# Altium PCB PCB.PcbDoc (part 7 of 10)
Units mil, origin at the board's own origin, x right, y up, seen from the top; angles counter-clockwise.
Board outline 4370.08 x 4921.26 mil, 6 copper layers (Component Side, Ground Plane I, Signal Layer 1, Power Plane, Ground Plane II, Solder Side), stack 57.638 mil thick; 274 components, 415 nets, 1726 pads, 902 vias.
Unrouted connection lines stored in the file: 2.
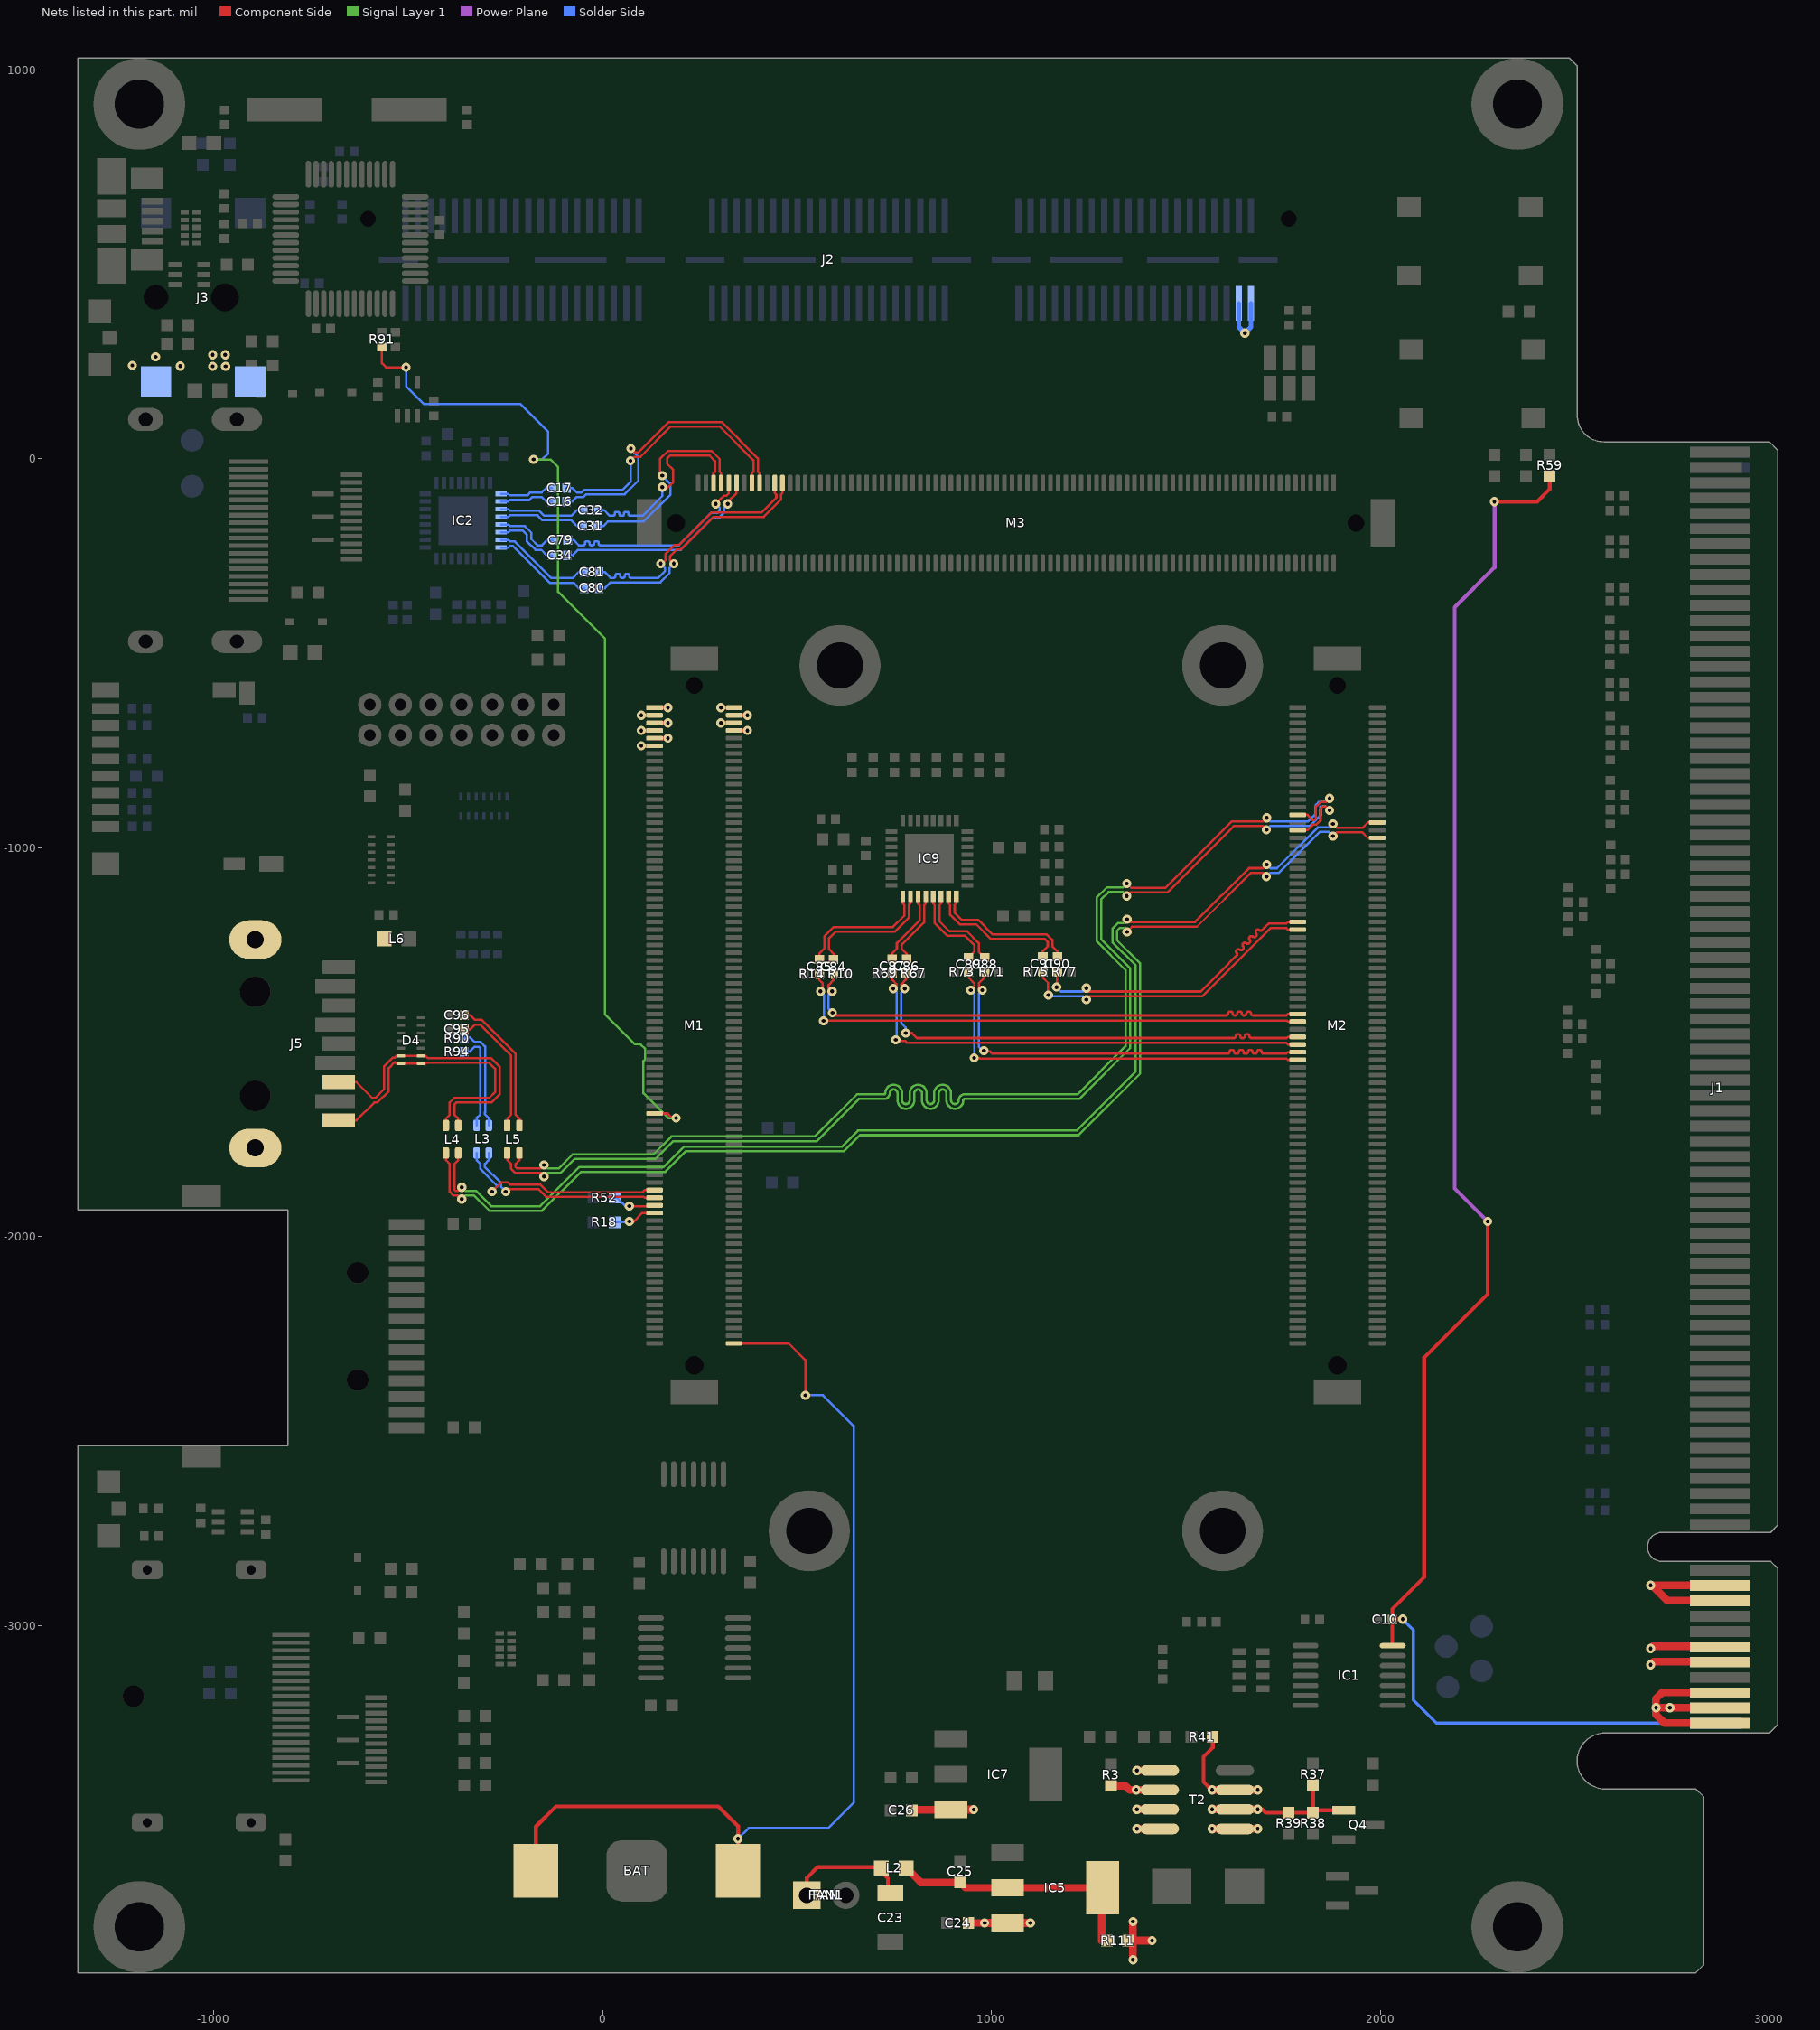
[diagram p11: the nets of this part, all layers, seen from the top]

## Via types
v1: diameter 23.62, hole 9.84, Component Side to Solder Side, 902 vias

## Nets (pads, with @x,y where several pads share a name; then routed paths per layer and width w, separated by ;. In a path a pad name is that pad's centre, name@x,y a point inside that pad or via, vN(x,y) a via of type N, cw(c..) or ccw(c..) an arc to the next point about the centre after c; other vN are vias at no path point) (continued)
UART_TX: M1.107 R91.1 | length 2623.2
  Component Side w5.91: R91.1@-567,287.1 -567,245.58 -556.42,235 v1(-505,235) ; M1.107@133.86,-1683.07 167.32,-1683.07 179.13,-1694.88 v1(188.98,-1694.88)
  Signal Layer 1 w5.91: v1(-177.17,-1.97) -134.03,-1.97 -114,-22 -114,-342 6,-462 6,-1428 83.33,-1505.33 97.56,-1505.33 109.67,-1517.44 109.67,-1544.03 105.32,-1548.38 105.32,-1631.31 168.88,-1694.88 v1(188.98,-1694.88)
  Solder Side w5.91: v1(-505,235) -505,186.04 -459.71,140.75 -211.61,140.75 -139.76,68.9 -139.76,13.75 -155.48,-1.97 v1(-177.17,-1.97)
US_HDMI_C_CLK_N: C17.2 IC2.25 | length 140.6
  Solder Side w5.91: IC2.25@-260.83,-90.55 -242.67,-90.55 -238.73,-94.49 -193.19,-94.49 -185.42,-86.71 -156.38,-86.71 -144.67,-75 C17.2@-129.9,-75
US_HDMI_C_CLK_P: C16.2 IC2.26 | length 140.6
  Solder Side w5.91: IC2.26@-260.83,-110.24 -242.67,-110.24 -238.73,-106.3 -188.3,-106.3 -180.52,-98.52 -156.38,-98.52 -144.67,-110.24 C16.2@-129.9,-110.24
US_HDMI_C_D0_N: C32.2 IC2.27 | length 224.3
  Solder Side w5.91: IC2.27@-260.83,-129.92 -242.15,-129.92 -238.21,-133.86 -162.43,-133.86 -149.64,-146.65 -79.74,-146.65 -64.98,-131.89 C32.2@-49.55,-131.89
US_HDMI_C_D0_P: C31.2 IC2.28 | length 223.5
  Solder Side w5.91: IC2.28@-260.83,-149.61 -242.15,-149.61 -238.21,-145.67 -167.32,-145.67 -154.53,-158.46 -79.74,-158.46 -64.98,-173.23 C31.2@-50.39,-173.23
US_HDMI_C_D1_N: C79.2 IC2.29 | length 171.2
  Solder Side w5.91: IC2.29@-260.83,-169.29 -242.15,-169.29 -238.21,-173.23 -199.83,-173.23 -183.07,-189.99 -183.07,-206.69 -167.32,-222.44 -155.53,-222.44 -141.75,-208.66 C79.2@-127.17,-208.66
US_HDMI_C_D1_P: C34.2 IC2.30 | length 169.2
  Solder Side w5.91: IC2.30@-260.83,-188.98 -242.15,-188.98 -238.21,-185.04 -204.72,-185.04 -194.88,-194.88 -194.88,-211.59 -172.22,-234.25 -157.5,-234.25 -143.72,-248.03 C34.2@-129.13,-248.03
US_HDMI_C_D2_N: C81.2 IC2.31 | length 261.7
  Solder Side w5.91: IC2.31@-260.83,-208.66 -242.15,-208.66 -238.21,-212.6 -225.42,-212.6 -130.93,-307.09 -76.79,-307.09 -61.04,-291.34 C81.2@-46.46,-291.34
US_HDMI_C_D2_P: C80.2 IC2.32 | length 260.8
  Solder Side w5.91: IC2.32@-260.83,-228.35 -242.15,-228.35 -238.21,-224.41 -230.31,-224.41 -135.83,-318.9 -74.82,-318.9 -61.04,-332.68 C80.2@-46.46,-332.68
US_HDMI_CLK_N: C17.1 M3.153 | length 683.5
  Component Side w5.91: v1(72,-5) 81.59,4.59 97.35,4.59 175.43,82.68 301.18,82.68 387.8,-3.94 387.8,-33.48 383.86,-37.41 M3.153@383.86,-62.99
  Solder Side w5.91: C17.1@-92.1,-75 -77.67,-75 -65.96,-86.71 -54,-86.71 -47.04,-79.75 52,-79.75 72,-59.75 v1(72,-5)
US_HDMI_CLK_P: C16.1 M3.151 | length 764.5
  Component Side w5.91: v1(73,26) 82.59,16.41 92.46,16.41 170.54,94.49 306.07,94.49 399.61,0.96 399.61,-33.48 403.54,-37.41 M3.151@403.54,-62.99
  Solder Side w5.91: C16.1@-92.1,-110.24 -77.67,-110.24 -65.96,-98.52 -49.11,-98.52 -42.15,-91.56 56.89,-91.56 92.67,-55.79 92.67,3.56 73,23.23 v1(73,26)
US_HDMI_D0_N: C32.1 M3.163 | length 530.8
  Component Side w5.91: v1@153.54,-75.79 166.34,-75.79 181.1,-61.02 181.1,-27.56 166.34,-12.8 166.34,0.96 173.26,7.87 275.59,7.87 289.37,-5.91 289.37,-33.48 285.43,-37.41 M3.163@285.43,-62.99
  Solder Side w5.91: C32.1@-11.76,-131.89 3.92,-131.89 18.68,-146.65 27.36,-146.65 ccw(c27.36,-142.52) 31.5,-142.52 31.5,-140.79 cw(c35.63,-140.79) 35.63,-136.65 39.17,-136.65 cw(c39.17,-140.79) 43.31,-140.79 43.31,-142.52 ccw(c47.44,-142.52) 47.44,-146.65 50.98,-146.65 ccw(c50.98,-142.52) 55.12,-142.52 55.12,-140.79 cw(c59.25,-140.79) 59.25,-136.65 62.8,-136.65 cw(c62.8,-140.79) 66.93,-140.79 66.93,-142.52 ccw(c71.06,-142.52) 71.06,-146.65 103.35,-146.65 153.54,-96.46 v1@153.54,-75.79
  other v1: 153.54,-73
US_HDMI_D0_P: C31.1 M3.161 | length 557.3
  Component Side w5.91: v1(153.54,-43.31) 147.64,-37.4 147.64,-1.04 168.37,19.69 280.48,19.69 301.18,-1.01 301.18,-33.48 305.12,-37.41 M3.161@305.12,-62.99
  Solder Side w5.91: C31.1@-12.6,-173.23 1.95,-173.23 13.76,-161.42 105.82,-161.42 174.21,-93.03 174.21,-63.98 v1(153.54,-43.31)
US_HDMI_D1_N: C79.1 M3.159 | length 550.3
  Component Side w5.91: v1(291.34,-116.14) 303.14,-104.35 312.01,-95.47 317.93,-95.47 324.8,-88.6 M3.159@324.8,-62.99
  Solder Side w5.91: C79.1@-89.37,-208.66 -74.82,-208.66 -61.04,-222.44 -49.41,-222.44 ccw(c-49.41,-218.31) -45.28,-218.31 -45.28,-216.57 cw(c-41.14,-216.57) -41.14,-212.44 -37.6,-212.44 cw(c-37.6,-216.57) -33.46,-216.57 -33.46,-218.31 ccw(c-29.33,-218.31) -29.33,-222.44 -25.79,-222.44 ccw(c-25.79,-218.31) -21.65,-218.31 -21.65,-216.57 cw(c-17.52,-216.57) -17.52,-212.44 -13.98,-212.44 cw(c-13.98,-216.57) -9.84,-216.57 -9.84,-218.31 ccw(c-5.71,-218.31) -5.71,-222.44 196.04,-222.44 278.69,-139.79 294.67,-139.79 300.69,-133.77 300.69,-125.49 v1(291.34,-116.14)
US_HDMI_D1_P: C34.1 M3.157 | length 533.2
  Component Side w5.91: v1@321.85,-111.23 344.49,-88.6 M3.157@344.49,-62.99
  Solder Side w5.91: C34.1@-91.34,-248.03 -76.79,-248.03 -63.01,-234.25 200.93,-234.25 283.58,-151.6 299.56,-151.6 312.5,-138.66 312.5,-125.49 v1(321.85,-116.14)
US_HDMI_D2_N: C81.1 M3.147 | length 647.8
  Component Side w5.91: v1(149.61,-269.69) 153.54,-269.69 161.42,-261.81 161.42,-246.12 186.05,-221.49 196.85,-221.49 211.07,-207.26 211.22,-207.26 230.88,-187.6 230.88,-187.45 280.54,-137.8 409.45,-137.8 446.85,-100.39 446.85,-92.53 442.91,-88.6 M3.147@442.91,-62.99
  Solder Side w5.91: C81.1@-8.66,-291.34 5.89,-291.34 20.65,-306.1 29.33,-306.1 ccw(c29.33,-301.97) 33.46,-301.97 33.46,-300.24 cw(c37.6,-300.24) 37.6,-296.1 41.14,-296.1 cw(c41.14,-300.24) 45.28,-300.24 45.28,-301.97 ccw(c49.41,-301.97) 49.41,-306.1 52.95,-306.1 ccw(c52.95,-301.97) 57.09,-301.97 57.09,-300.24 cw(c61.22,-300.24) 61.22,-296.1 64.76,-296.1 cw(c64.76,-300.24) 68.9,-300.24 68.9,-301.97 ccw(c73.03,-301.97) 73.03,-306.1 143.7,-306.1 160.43,-289.37 160.43,-280.51 v1(149.61,-269.69)
US_HDMI_D2_P: C80.1 M3.145 | length 639.6
  Component Side w5.91: v1(183.07,-269.69) 181.1,-269.69 173.23,-261.81 173.23,-251.01 190.94,-233.3 201.74,-233.3 215.97,-219.07 216.11,-219.07 242.69,-192.49 242.69,-192.34 285.43,-149.61 414.34,-149.61 458.66,-105.29 458.66,-92.53 462.6,-88.6 M3.145@462.6,-62.99
  Solder Side w5.91: C80.1@-8.66,-332.68 5.89,-332.68 20.65,-317.91 148.59,-317.91 172.24,-294.26 172.24,-280.51 v1(183.07,-269.69)
US_PROC_LVDS_1_N: C85.1 M2.83 R14.1 | length 1341.9
  Component Side w5.91: C85.1@557.35,-1324.9 557.35,-1340.02 565.99,-1348.65 v1@565.99,-1363.36 ; v1(568.35,-1444.77) 1759.71,-1444.77 1761.79,-1446.85 M2.83@1787.4,-1446.85
  Solder Side w5.91: v1(560.35,-1369) 569.45,-1378.09 569.45,-1443.68 v1(568.35,-1444.77)
US_PROC_LVDS_1_P: C84.1 M2.81 R10.1 | length 1350.8
  Component Side w5.91: v1(590.35,-1369) 581.26,-1359.91 581.26,-1353.21 593.45,-1341.02 R10.1@593.45,-1325 ; v1(591.19,-1424.1) 598.19,-1431.1 1603.58,-1431.1 ccw(c1603.58,-1426.42) 1608.27,-1426.42 cw(c1613.58,-1426.42) 1613.58,-1421.1 1614.76,-1421.1 cw(c1614.76,-1426.42) 1620.08,-1426.42 ccw(c1624.76,-1426.42) 1624.76,-1431.1 1627.2,-1431.1 ccw(c1627.2,-1426.42) 1631.89,-1426.42 cw(c1637.2,-1426.42) 1637.2,-1421.1 1638.39,-1421.1 cw(c1638.39,-1426.42) 1643.7,-1426.42 ccw(c1648.39,-1426.42) 1648.39,-1431.1 1650.83,-1431.1 ccw(c1650.83,-1426.42) 1655.51,-1426.42 cw(c1660.83,-1426.42) 1660.83,-1421.1 1662.01,-1421.1 cw(c1662.01,-1426.42) 1667.32,-1426.42 ccw(c1672.01,-1426.42) 1672.01,-1431.1 1757.85,-1431.1 1761.79,-1427.17 M2.81@1787.4,-1427.17
  Solder Side w5.91: v1(590.35,-1369) 581.26,-1378.09 581.26,-1414.17 v1(591.19,-1424.1)
US_PROC_LVDS_2_N: C87.1 M2.89 R69.1 | length 1219.1
  Component Side w5.91: C87.1@744.15,-1323.82 744.15,-1338.59 756.35,-1350.8 756.35,-1353.35 v1(747.5,-1362.2) ; v1(753.94,-1494.09) 756.89,-1497.05 778.46,-1497.05 782.39,-1500.98 1756.86,-1500.98 1761.79,-1505.91 M2.89@1787.4,-1505.91
  Solder Side w5.91: v1(747.5,-1362.2) 756.35,-1371.06 v1@756.35,-1492.13
US_PROC_LVDS_2_P: C86.1 M2.87 R67.1 | length 1217.4
  Component Side w5.91: v1(777.02,-1362.2) 768.17,-1353.35 768.17,-1350.8 780.37,-1338.59 R67.1@780.37,-1322.84 ; v1(779.53,-1476.38) 795.28,-1476.38 808.07,-1489.17 1572.83,-1489.17 1623.27,-1489.17 ccw(c1623.27,-1484.49) 1627.95,-1484.49 cw(c1633.27,-1484.49) 1633.27,-1479.17 1634.45,-1479.17 cw(c1634.45,-1484.49) 1639.76,-1484.49 ccw(c1644.45,-1484.49) 1644.45,-1489.17 1646.89,-1489.17 ccw(c1646.89,-1484.49) 1651.57,-1484.49 cw(c1656.89,-1484.49) 1656.89,-1479.17 1658.07,-1479.17 cw(c1658.07,-1484.49) 1663.39,-1484.49 ccw(c1668.07,-1484.49) 1668.07,-1489.17 1675.2,-1489.17 1681.1,-1489.17 1758.84,-1489.17 1761.79,-1486.22 M2.87@1787.4,-1486.22
  Solder Side w5.91: v1(777.02,-1362.2) 768.17,-1371.06 768.17,-1450.79 779.53,-1462.15 v1(779.53,-1476.38) 779.53,-1480.31 v1@783.46,-1484.25
US_PROC_LVDS_3_N: C89.1 M2.93 R73.1 | length 1078.1
  Component Side w5.91: R73.1@942.13,-1318.9 942.13,-1334.66 955.74,-1348.27 955.74,-1364.17 953.77,-1366.14 v1(946.88,-1366.14) ; v1(955.74,-1540.33) 969.76,-1540.33 971.75,-1542.32 1758.83,-1542.32 1761.79,-1545.28 M2.93@1787.4,-1545.28
  Solder Side w5.91: v1(946.88,-1366.14) 955.74,-1375 v1(955.74,-1540.33) v1@951.56,-1544.5
US_PROC_LVDS_3_P: C88.1 M2.91 R71.1 | length 1086.8
  Component Side w5.91: v1(976.41,-1366.14) 969.52,-1366.14 967.55,-1364.17 967.55,-1348.27 981.16,-1334.66 R71.1@981.16,-1318.9 ; v1(980.31,-1521.65) 980.31,-1522.67 979.36,-1523.62 996.06,-1523.62 1001.97,-1529.53 1496.06,-1529.53 1607.52,-1529.53 ccw(c1607.52,-1524.84) 1612.2,-1524.84 cw(c1617.52,-1524.84) 1617.52,-1519.53 1618.7,-1519.53 cw(c1618.7,-1524.84) 1624.02,-1524.84 ccw(c1628.7,-1524.84) 1628.7,-1529.53 1631.14,-1529.53 ccw(c1631.14,-1524.84) 1635.83,-1524.84 cw(c1641.14,-1524.84) 1641.14,-1519.53 1642.32,-1519.53 cw(c1642.32,-1524.84) 1647.64,-1524.84 ccw(c1652.32,-1524.84) 1652.32,-1529.53 1654.76,-1529.53 ccw(c1654.76,-1524.84) 1659.45,-1524.84 cw(c1664.76,-1524.84) 1664.76,-1519.53 1665.94,-1519.53 cw(c1665.94,-1524.84) 1671.26,-1524.84 ccw(c1675.94,-1524.84) 1675.94,-1529.53 1678.39,-1529.53 ccw(c1678.39,-1524.84) 1683.07,-1524.84 cw(c1688.39,-1524.84) 1688.39,-1519.53 1689.57,-1519.53 cw(c1689.57,-1524.84) 1694.88,-1524.84 ccw(c1699.57,-1524.84) 1699.57,-1529.53 1706.69,-1529.53 1712.6,-1529.53 1757.85,-1529.53 1761.79,-1525.59 M2.91@1787.4,-1525.59
  Solder Side w5.91: v1(976.41,-1366.14) 967.55,-1375 967.55,-1511.81 v1@979.36,-1523.62
US_PROC_LVDS_4_SSCLK_N: C91.1 M2.59 R75.1 | length 790.7
  Component Side w5.91: R75.1@1133.13,-1318.9 1133.13,-1334.66 1145.33,-1346.86 1145.33,-1378.03 v1(1146.44,-1379.15) ; v1(1244.09,-1390.27) 1244.09,-1387.32 1250,-1381.41 1542.77,-1381.41 1717.49,-1206.69 1757.85,-1206.69 1761.79,-1210.63 M2.59@1787.4,-1210.63
  Solder Side w5.91: v1(1146.44,-1379.15) 1148.71,-1381.41 1235.24,-1381.41 v1(1244.09,-1390.27)
US_PROC_LVDS_4_SSCLK_P: C90.1 M2.57 R77.1 | length 794
  Component Side w5.91: v1(1167.32,-1358.27) 1168.17,-1357.43 R77.1@1168.17,-1318.9 ; R77.1@1169.35,-1318.9 C90.1@1169.35,-1318.11 ; v1(1244.09,-1360.74) 1244.09,-1363.7 1250,-1369.6 1537.88,-1369.6 1591.54,-1315.94 1630.42,-1277.06 ccw(c1627.11,-1273.74) 1630.42,-1270.43 cw(c1634.18,-1266.67) 1630.42,-1262.92 1631.26,-1262.08 cw(c1635.02,-1265.84) 1638.77,-1262.08 ccw(c1642.09,-1258.77) 1645.4,-1262.08 1647.13,-1260.35 ccw(c1643.81,-1257.04) 1647.13,-1253.73 cw(c1650.88,-1249.97) 1647.13,-1246.21 1647.96,-1245.38 cw(c1651.72,-1249.14) 1655.48,-1245.38 ccw(c1658.79,-1242.06) 1662.1,-1245.38 1663.83,-1243.65 ccw(c1660.52,-1240.34) 1663.83,-1237.03 cw(c1667.59,-1233.27) 1663.83,-1229.51 1664.66,-1228.67 cw(c1668.42,-1232.43) 1672.18,-1228.67 ccw(c1675.49,-1225.36) 1678.81,-1228.67 1680.53,-1226.95 ccw(c1677.22,-1223.64) 1680.53,-1220.32 cw(c1684.29,-1216.56) 1680.53,-1212.81 1681.37,-1211.97 cw(c1685.13,-1215.73) 1688.88,-1211.97 ccw(c1692.2,-1208.66) 1695.51,-1211.97 1700.55,-1206.93 1704.72,-1202.76 1712.6,-1194.88 1757.85,-1194.88 1761.79,-1190.94 M2.57@1787.4,-1190.94
  Solder Side w5.91: v1(1167.32,-1358.27) 1178.66,-1369.6 1235.24,-1369.6 v1(1244.09,-1360.74)
US_PROC_LVDS_C_1_N: C85.2 IC9.25 | length 343.6
  Component Side w5.91: C85.2@557.35,-1287.1 557.35,-1272.02 570.77,-1258.6 570.77,-1227.23 594.01,-1204 746.71,-1204 775.65,-1175.06 775.65,-1146.95 771.71,-1143.02 IC9.25@771.71,-1125
US_PROC_LVDS_C_1_P: C84.2 IC9.26 | length 345.6
  Component Side w5.91: C84.2@596,-1289.1 596,-1274.02 582.58,-1260.6 582.58,-1232.13 598.9,-1215.81 751.6,-1215.81 787.46,-1179.96 787.46,-1146.95 791.39,-1143.02 IC9.26@791.39,-1125
US_PROC_LVDS_C_2_N: C87.2 IC9.27 | length 192
  Component Side w5.91: C87.2@744.15,-1286.02 744.15,-1271.66 756.94,-1258.87 756.94,-1245.11 815.02,-1187.04 815.02,-1147.65 811.08,-1143.71 IC9.27@811.08,-1125
US_PROC_LVDS_C_2_P: C86.2 IC9.28 | length 192
  Component Side w5.91: C86.2@781.55,-1286.02 781.55,-1271.66 768.76,-1258.87 768.76,-1250 826.83,-1191.93 826.83,-1147.65 830.76,-1143.71 IC9.28@830.76,-1125
US_PROC_LVDS_C_3_N: C89.2 IC9.29 | length 233.4
  Component Side w5.91: IC9.29@850.45,-1125 850.45,-1143.71 854.39,-1147.65 854.39,-1193.92 886.84,-1226.38 932.14,-1226.38 955.76,-1250 955.76,-1267.32 C89.2@941,-1282.09
US_PROC_LVDS_C_3_P: C88.2 IC9.30 | length 233.4
  Component Side w5.91: IC9.30@870.13,-1125 870.13,-1143.71 866.2,-1147.65 866.2,-1189.03 891.73,-1214.57 937.03,-1214.57 967.57,-1245.11 967.57,-1267.32 C88.2@982.34,-1282.09
US_PROC_LVDS_C_4_SSCLK_N: C91.2 IC9.31 | length 372.3
  Component Side w5.91: IC9.31@889.82,-1125 889.82,-1143.71 893.76,-1147.65 893.76,-1172.21 918.39,-1196.85 960.71,-1196.85 998.68,-1234.82 1137.43,-1234.82 1144.74,-1242.13 1144.74,-1252.96 1131.94,-1265.76 C91.2@1131.94,-1280.32
US_PROC_LVDS_C_4_SSCLK_P: C90.2 IC9.32 | length 372.3
  Component Side w5.91: IC9.32@909.5,-1125 909.5,-1143.71 905.57,-1147.65 905.57,-1167.32 923.28,-1185.04 965.6,-1185.04 1003.57,-1223.01 1142.32,-1223.01 1156.55,-1237.23 1156.55,-1252.96 1169.35,-1265.76 C90.2@1169.35,-1280.32
USB_D_L_N: L3.4 R90.1 | length 270.3
  Solder Side w5.91: R90.1@-355.5,-1487.05 -341.07,-1487.05 -328.48,-1499.64 -313.11,-1499.64 -301.95,-1510.8 -301.95,-1679.86 -302.09,-1680 -302.09,-1685.17 -292.25,-1695.02 L3.4@-292.25,-1713.57
USB_D_L_P: L3.3 R94.1 | length 250.7
  Solder Side w5.91: R94.1@-355.5,-1524.05 -341.07,-1524.05 -328.48,-1511.45 -318,-1511.45 -313.76,-1515.69 -313.76,-1674.97 -313.91,-1675.11 -313.91,-1685.17 -323.75,-1695.02 L3.3@-323.75,-1713.57
USB_D_N: L3.1 M1.129 | length 513.8
  Component Side w5.91: v1@-243,-1883.91 -237.07,-1877.98 -164.36,-1877.98 -145.33,-1897 105.73,-1897 108.33,-1899.61 M1.129@133.86,-1899.61
  Solder Side w5.91: L3.1@-292.25,-1784.43 -292.25,-1803.02 -302.09,-1812.86 -302.09,-1820.91 -260.64,-1862.36 -260.64,-1872.26 v1(-249,-1883.91)
USB_D_P: L3.2 M1.127 | length 565.7
  Component Side w5.91: v1(-284,-1883.91) -260.33,-1860.24 -243,-1860.24 -237.07,-1866.17 -159.47,-1866.17 -140.44,-1885.19 103.06,-1885.19 108.33,-1879.92 M1.127@133.86,-1879.92
  Solder Side w5.91: L3.2@-323.75,-1784.43 -323.75,-1803.02 -313.91,-1812.86 -313.91,-1825.8 -272.45,-1867.25 -272.45,-1872.26 v1@-284.09,-1883.91
USB_ID: M1.133 R18.1 | length 112.2
  Component Side w5.91: v1(68.9,-1960.63) 80.71,-1960.63 102.36,-1938.98 M1.133@133.86,-1938.98
  Solder Side w5.91: R18.1@31.44,-1962.6 66.93,-1962.6 v1(68.9,-1960.63)
USB_RX_L_N: D4.14 J5.5 L4.2 | length 758.7
  Component Side w5.91: J5.5@-678.25,-1700.79 -632.67,-1700.79 -587.01,-1655.13 -579.13,-1655.13 -549.8,-1625.8 -549.8,-1566.91 -534.01,-1551.12 -530.07,-1555.06 D4.14@-517.01,-1555.06 D4.14@-467.8,-1555.06 -454.67,-1555.06 -452.18,-1552.57 -425.27,-1552.57 -327.96,-1552.57 -291.43,-1552.57 -276,-1568 -276,-1628 -291,-1643 -381,-1643 -392.68,-1654.68 -392.68,-1686.17 -402.52,-1696.02 L4.2@-402.52,-1713.82
USB_RX_L_P: D4.13 J5.6 L4.1 | length 777.6
  Component Side w5.91: J5.6@-678.25,-1602.36 -632.67,-1602.36 -591.71,-1643.32 -584.03,-1643.32 -561.61,-1620.91 -561.61,-1562.02 -538.9,-1539.31 -534.01,-1539.31 -530.07,-1535.37 D4.13@-517.01,-1535.37 D4.13@-467.8,-1535.37 -454.67,-1535.37 -449.28,-1540.75 -420.38,-1540.75 -327.96,-1540.75 -286.54,-1540.75 -264.19,-1563.11 -264.19,-1632.89 -286.11,-1654.81 -376.11,-1654.81 -380.87,-1659.57 -380.87,-1686.17 -371.02,-1696.02 L4.1@-371.02,-1713.82
USB_SHIELD: J5.Z1 L6.1
USB_SS_RX_N: L4.3 M2.36 | length 3248.9
  Component Side w5.91: L4.3@-402.52,-1784.69 -402.52,-1803.02 -392.68,-1812.86 -392.68,-1884.12 -382.89,-1893.91 -371.09,-1893.91 v1(-362,-1903) ; v1(1348.54,-1216) 1361.54,-1203 1528.41,-1203 1667,-1064.41 1697.41,-1064.41 v1(1707,-1074) ; v1(1878,-969.98) 1887.35,-960.63 1953.55,-960.63 1967.33,-974.41 M2.36@1992.13,-974.41
  Signal Layer 1 w5.91: v1(-362,-1903) -352.91,-1893.91 -330.09,-1893.91 -291,-1933 -155.3,-1933 -55.2,-1832.91 161.39,-1832.91 214.49,-1779.81 620.89,-1779.81 661.89,-1738.81 924,-1738.81 1193.89,-1738.81 1223.89,-1738.81 1382.46,-1580.24 1382.46,-1297.46 1323,-1238 1323,-1212.91 1330,-1205.91 1338.45,-1205.91 v1(1348.54,-1216)
  Solder Side w5.91: v1(1707,-1074) 1716.59,-1064.41 1738.89,-1064.41 1843.9,-959.4 1867.42,-959.4 v1(1878,-969.98)
USB_SS_RX_P: L4.4 M2.32 | length 3226.3
  Component Side w5.91: L4.4@-371.02,-1784.69 -371.02,-1803.02 -380.87,-1812.86 -380.87,-1879.23 -378,-1882.09 -371.09,-1882.09 v1(-362,-1873) ; v1(1348.54,-1184) 1355.73,-1191.19 1523.51,-1191.19 1662.11,-1052.59 1698.41,-1052.59 v1(1708,-1043) ; v1(1878,-938.98) 1887.84,-948.82 1953.55,-948.82 1967.33,-935.04 M2.32@1992.13,-935.04
  Signal Layer 1 w5.91: v1(-362,-1873) -352.91,-1882.09 -325.2,-1882.09 -286.11,-1921.19 -160.19,-1921.19 -60.09,-1821.09 156.5,-1821.09 209.6,-1768 616,-1768 657,-1727 1189,-1727 1219,-1727 1370.65,-1575.35 1370.65,-1302.35 1311.19,-1242.89 1311.19,-1208.01 1325.11,-1194.09 1338.45,-1194.09 v1(1348.54,-1184)
  Solder Side w5.91: v1(1708,-1043) 1717.59,-1052.59 1734,-1052.59 1839,-947.59 1869.39,-947.59 v1(1878,-938.98)
USB_SS_TX_N: L5.1 M2.33 | length 3250.8
  Component Side w5.91: L5.1@-245.04,-1784.69 -245.04,-1803.02 -235.2,-1812.86 -235.2,-1825.51 -224.51,-1836.2 -159.18,-1836.2 v1(-150.32,-1845.06) ; v1(1348,-1124) 1357.19,-1114.81 1452.19,-1114.81 1622.59,-944.41 1697.41,-944.41 v1(1707,-954) ; M2.33@1787.4,-954.72 1812.33,-954.72 1826.11,-940.94 1834.89,-940.94 1846,-929.84 1846,-899.41 1851,-894.41 1859.4,-894.41 v1(1869,-904.01)
  Signal Layer 1 w5.91: v1(-150.32,-1845.06) -141.46,-1836.2 -108.2,-1836.2 -72,-1800 136,-1800 182.05,-1753.95 550.89,-1753.95 659.03,-1645.81 723.69,-1645.81 ccw(c723.69,-1630.85) 738.65,-1630.85 cw(c748.5,-1630.85) 748.5,-1621.01 cw(c748.5,-1630.85) 758.34,-1630.85 758.34,-1648.96 ccw(c779.99,-1648.96) 779.99,-1670.61 ccw(c779.99,-1648.96) 801.65,-1648.96 801.65,-1630.85 cw(c811.49,-1630.85) 811.49,-1621.01 cw(c811.49,-1630.85) 821.33,-1630.85 821.33,-1648.96 ccw(c842.98,-1648.96) 842.98,-1670.61 ccw(c842.98,-1648.96) 864.64,-1648.96 864.64,-1630.85 cw(c874.48,-1630.85) 874.48,-1621.01 cw(c874.48,-1630.85) 884.32,-1630.85 884.32,-1648.96 ccw(c905.98,-1648.96) 905.98,-1670.61 ccw(c905.98,-1648.96) 927.63,-1648.96 cw(c930.78,-1648.96) 930.78,-1645.81 1225.89,-1645.81 1356.46,-1515.24 1356.46,-1309.48 1282,-1235.02 1282,-1133 1301.09,-1113.91 1337.91,-1113.91 v1(1348,-1124)
  Solder Side w5.91: v1(1707,-954) 1716.59,-944.41 1818.49,-944.41 1846,-916.89 1846,-894.41 1859.4,-894.41 v1(1869,-904.01)
USB_SS_TX_P: L5.2 M2.29 | length 3232
  Component Side w5.91: L5.2@-213.54,-1784.69 -213.54,-1803.02 -223.39,-1812.86 -223.39,-1820.61 -219.61,-1824.39 -159.18,-1824.39 v1(-150.32,-1815.53) ; v1(1348,-1092) 1359,-1103 1447.3,-1103 1617.7,-932.59 1698.41,-932.59 v1(1708,-923) ; M2.29@1787.4,-915.35 1812.33,-915.35 1826.11,-929.13 1830,-929.13 1834.19,-924.94 1834.19,-894.52 1846.11,-882.6 1859.4,-882.6 v1(1869,-873)
  Signal Layer 1 w5.91: v1(-150.32,-1815.53) -141.46,-1824.39 -113.09,-1824.39 -76.89,-1788.19 131.11,-1788.19 177.16,-1742.14 546,-1742.14 654.14,-1634 723.69,-1634 ccw(c723.69,-1630.85) 726.84,-1630.85 cw(c748.5,-1630.85) 748.5,-1609.2 cw(c748.5,-1630.85) 770.15,-1630.85 770.15,-1648.96 ccw(c779.99,-1648.96) 779.99,-1658.8 ccw(c779.99,-1648.96) 789.83,-1648.96 789.83,-1630.85 cw(c811.49,-1630.85) 811.49,-1609.2 cw(c811.49,-1630.85) 833.14,-1630.85 833.14,-1648.96 ccw(c842.98,-1648.96) 842.98,-1658.8 ccw(c842.98,-1648.96) 852.83,-1648.96 852.83,-1630.85 cw(c874.48,-1630.85) 874.48,-1609.2 cw(c874.48,-1630.85) 896.13,-1630.85 896.13,-1648.96 ccw(c905.98,-1648.96) 905.98,-1658.8 ccw(c905.98,-1648.96) 915.82,-1648.96 cw(c930.78,-1648.96) 930.78,-1634 1221,-1634 1344.65,-1510.35 1344.65,-1314.37 1270.19,-1239.91 1270.19,-1128.11 1296.2,-1102.09 1337.91,-1102.09 v1(1348,-1092)
  Solder Side w5.91: v1(1708,-923) 1717.59,-932.59 1813.59,-932.59 1834.19,-912 1834.19,-889.52 1841.11,-882.6 1859.4,-882.6 v1(1869,-873)
USB_TX_L_N: C95.1 L5.4 | length 342.1
  Component Side w5.91: C95.1@-355.4,-1467.05 -340.67,-1467.05 -328.07,-1454.45 -315.25,-1454.45 -235,-1534.7 -235,-1685.98 -245.04,-1696.02 L5.4@-245.04,-1713.82
USB_TX_L_P: C96.1 L5.3 | length 361.5
  Component Side w5.91: C96.1@-355.4,-1430.05 -340.67,-1430.05 -328.07,-1442.64 -310.36,-1442.64 -223.19,-1529.81 -223.19,-1686.37 -213.54,-1696.02 L5.3@-213.54,-1713.82
USB_VBUS: M1.131 R52.1 | length 112.2
  Component Side w5.91: v1(68.9,-1921.26) 131.89,-1921.26 M1.131@133.86,-1919.29
  Solder Side w5.91: R52.1@31.44,-1899.61 37.4,-1899.61 59.06,-1921.26 v1(68.9,-1921.26)
VBAT: BAT.+ M1.168 | length 2547.6
  Component Side w5.91: M1.168@338.58,-2273.62 339.57,-2274.61 479.33,-2274.61 521.65,-2316.93 v1(521.65,-2407.48)
  Component Side w10: BAT.+@-171.26,-3631.89 -171.26,-3515.83 -119.43,-3464 297.67,-3464 348.43,-3514.75 v1(348.43,-3547.24) BAT.+@348.43,-3631.89
  Solder Side w5.91: v1(348.43,-3547.24) 375.98,-3519.68 580.71,-3519.68 645.67,-3454.72 645.67,-2486.22 566.93,-2407.48 v1(521.65,-2407.48)
VCC_3.3_PRSNT: C10.2 IC1.14 J1.A1 R59.1 | length 4353
  Component Side w10: C10.2@2030.71,-2984.25 2030.71,-3050.39 IC1.14@2031.5,-3051.18 ; v1(2057.09,-2983.07) 2030.71,-2983.07 2030.71,-2956.69 2112.2,-2875.2 2112.2,-2311.02 2275.59,-2147.64 v1(2275.59,-1960.63) ; v1(2293.31,-110.24) 2403.54,-110.24 2435.04,-78.74 R59.1@2435.04,-45.22
  Power Plane w10: v1(2275.59,-1960.63) 2190.94,-1875.98 2190.94,-381.89 2293.31,-279.53 v1(2293.31,-110.24)
  Solder Side w7.87: v1(2057.09,-2983.07) 2084.65,-3010.63 2084.65,-3190.94 2143.7,-3250 J1.A1@2860.24,-3250
VCC_7.4_CPM: J1.B1 J1.B2 J1.B3 J1.B5 J1.B6 J1.B9 J1.B10 J2.1 J2.3 J3.1 Q4.1 R37.2 R38.2 R39.2 R41.2 T2.1 T2.2 T2.3 | length 2348
  Component Side w10: R41.2@1568.84,-3285.43 1568.84,-3313.05 1545.28,-3336.61 1545.28,-3401.57 1565.55,-3421.85 T2.3@1625.98,-3421.85 ; T2.2@1625.98,-3471.85 1696.26,-3471.85 1704.78,-3480.37 R39.2@1763.78,-3480.37 R38.2@1826.77,-3480.37 ; R37.2@1826.77,-3409.39 R38.2@1826.77,-3480.37 ; Q4.1@1905.51,-3474.41 1832.74,-3474.41 R38.2@1826.77,-3480.37
  Component Side w19.68: v1(2694.88,-3100.39) 2702.74,-3092.52 J1.B5@2870.08,-3092.52 ; v1(2694.88,-3058.39) 2700.12,-3053.15 J1.B6@2870.08,-3053.15 ; J1.B1@2870.08,-3250 2730.32,-3250 2708.66,-3228.35 v1(2708.66,-3210.63) ; J1.B2@2870.08,-3210.63 v1(2708.66,-3210.63) ; J1.B3@2870.08,-3171.26 2724.41,-3171.26 2708.66,-3187.01 v1(2708.66,-3210.63) ; J1.B9@2870.08,-2935.04 2737.09,-2935.04 2697.72,-2895.67 J1.B10@2870.08,-2895.67
  Component Side w20: v1(1567.13,-3521.85) T2.1@1625.98,-3521.85 v1(1684.84,-3521.85) ; v1(1567.13,-3471.85) T2.2@1625.98,-3471.85 v1(1684.84,-3471.85) ; v1(1567.13,-3421.85) T2.3@1625.98,-3421.85 v1(1684.84,-3421.85)
  Solder Side w11.81: J2.3@1635.89,399.02 1635.89,338.52 v1(1651.57,322.83) 1667.38,338.64 J2.1@1667.38,399.02
  other v1: 2744.09,-3210.63 2694.88,-2895.67 -1002.36,237.16 -969,237.16 -1086,238 -1209,240 -1149,261.87 -1002.36,267 -970,267
VCC_FAN: C23.2 FAN1.1 FAN.1 L2.2 | length 317.5
  Component Side w10: FAN.1@525.59,-3692.91 525.59,-3647.64 553.15,-3620.08 704.72,-3620.08 733.66,-3649.02 733.66,-3680.45 C23.2@740.22,-3687.01
VCC_FAN_L: C25.2 IC5.2 IC5.4 L2.1 R111.2 | length 662
  Component Side w19.68: L2.1@781.09,-3622.39 818.08,-3659.39 C25.2@919.29,-3659.39 933.13,-3673.23 IC5.2@1041.34,-3673.23 IC5.4@1285.43,-3673.23 1283.84,-3674.82 R111.2@1283.84,-3809.12
VCC_MOD: C24.2 C26.2 IC5.3 IC7.3 M1.1 M1.2 M1.3 M1.4 M1.5 M1.6 M1.7 M1.8 M1.9 M1.11 R3.2 R111.1 T2.5 T2.6 T2.7 T2.8 | length 1291.5
  Component Side w10: v1(99.72,-738.19) M1.11@133.86,-738.19 ; v1(99.72,-698.82) M1.7@133.86,-698.82 ; v1(99.72,-659.45) M1.3@133.86,-659.45 ; M1.9@133.86,-718.5 v1(167.99,-718.5) ; M1.5@133.86,-679.13 v1(167.99,-679.13) ; M1.1@133.86,-639.76 v1(167.99,-639.76) ; v1(304.45,-679.13) M1.6@338.58,-679.13 ; v1(304.45,-639.76) M1.2@338.58,-639.76 ; M1.8@338.58,-698.82 v1(372.72,-698.82) ; M1.4@338.58,-659.45 v1(372.72,-659.45)
  Component Side w19.68: C26.2@797.18,-3472.44 IC7.3@895.67,-3472.44 ; C24.2@940.89,-3763.78 IC5.3@1041.34,-3763.78 ; R3.2@1307.09,-3411.36 1344.43,-3411.36 1354.92,-3421.85 T2.6@1433.07,-3421.85
  Component Side w20: IC7.3@895.67,-3472.44 v1(954.53,-3472.44) ; v1(982.48,-3763.78) IC5.3@1041.34,-3763.78 v1(1100.2,-3763.78) ; v1(1363.84,-3858.24) 1363.84,-3859.21 R111.1@1363.84,-3809.12 ; v1(1363.84,-3760) 1363.84,-3759.03 R111.1@1363.84,-3809.12 ; v1(1372.24,-3421.85) T2.6@1431.1,-3421.85 ; v1(1374.21,-3521.85) T2.8@1433.07,-3521.85 ; v1(1374.21,-3471.85) T2.7@1433.07,-3471.85 ; v1(1374.21,-3371.85) T2.5@1433.07,-3371.85 ; v1(1412.96,-3809.12) 1413.93,-3809.12 R111.1@1363.84,-3809.12
  Power Plane w10: v1@95.79,-734.25 v1(99.72,-738.19) ; v1@95.79,-694.88 v1(99.72,-698.82) ; v1@95.79,-655.51 v1(99.72,-659.45) ; v1(167.99,-718.5) v1@171.93,-722.44 ; v1(167.99,-679.13) v1@171.93,-683.07 ; v1(167.99,-639.76) v1@171.93,-643.7 ; v1@300.51,-675.2 v1(304.45,-679.13) ; v1@300.51,-635.83 v1(304.45,-639.76) ; v1(372.72,-698.82) v1@376.66,-702.76 ; v1(372.72,-659.45) v1@376.66,-663.39
pads on no net: D3.14 D7.1 D8.1 D8.2 DEBUG.M IC1.6 IC1.9 IC2.5 IC2.6 IC2.7 IC2.19 IC2.20 IC2.23 IC3.1 IC3.11 IC3.12 IC3.13 IC3.15 IC3.16 IC3.17 IC3.19 IC3.20 IC3.21 IC3.22 IC3.27 IC3.28 IC3.29 IC3.30 IC3.32 IC3.33 IC3.35 IC3.36 IC3.37 IC3.38 IC3.48 IC4.4 IC8.15 IC9.5 IC9.6 IC9.7 IC9.19 IC9.20 IC9.23 IC10.7 IC10.9 IC10.10 IC10.12 IC10.15 IC12.6 IC12.9 IC13.3 IC13.5 IC13.6 IC13.13 J1.A79 J1.A80 J1.B14 J1.B31 J1.B32 J1.B35 J1.B36 J1.B80 J2.0 J2.82 J2.84 J2.86 J2.88 J2.90 J2.92 J2.99 J2.101 J2.117 J3. J4.M J5. J6.7 J6.9 J6.10 J6.12 J6.25 J7.14 J7.15 J7.16 JTAG.12 M1.15 M1.16 M1.17 M1.18 M1.19 M1.21 M1.22 M1.24 M1.25 M1.27 M1.28 M1.30 M1.31 M1.33 M1.34 M1.36 M1.37 M1.39 M1.40 M1.42 M1.43 M1.45 M1.46 M1.48 M1.49 M1.51 M1.52 M1.54 M1.55 M1.57 M1.58 M1.60 M1.61 M1.62 M1.63 M1.64 M1.65 M1.66 M1.67 M1.69 M1.73 M1.75 M1.79 M1.81 M1.85 M1.87 M1.88 M1.89 M1.90 M1.92 M1.94 M1.100 M1.102 M1.104 M1.106 M1.110 M1.111 M1.113 M1.114 M1.115 M1.116 M1.118 M1.122 M1.128 M1.136 M1.137 M1.140 M1.141 M1.144 M1.146 M1.148 M1.150 M1.152 M1.154 M1.155 M1.156 M1.158 M1.160 M1.162 M1.164 M1.MTH M1.PAD M2.3 M2.4 M2.5 M2.6 M2.7 M2.8 M2.9 M2.10 M2.12 M2.16 M2.20 M2.24 M2.28 M2.37 M2.40 M2.41 M2.44 M2.45 M2.47 M2.48 M2.50 M2.51 M2.53 M2.54 M2.55 M2.56 M2.60 M2.62 M2.63 M2.65 M2.66 M2.68 M2.69 M2.71 M2.79 M2.115 M2.127 M2.152 M2.155 M2.167 M2.168 M2.MTH M2.PAD M3.3 M3.5 M3.7 M3.8 M3.9 M3.10 M3.12 M3.45 M3.47 M3.48 M3.50 M3.51 M3.53 M3.54 M3.56 M3.57 M3.59 M3.60 M3.62 M3.63 M3.65 M3.66 M3.68 M3.96 M3.103 M3.136 M3.143 M3.167 M3.MTH M3.PAD SP1.1 SP2.1 SP3.1 SP4.1 T1. T1.11
copper on no net: | length 85764.3